# Altium PCB BE200.PcbDoc (part 1 of 6) (continued)
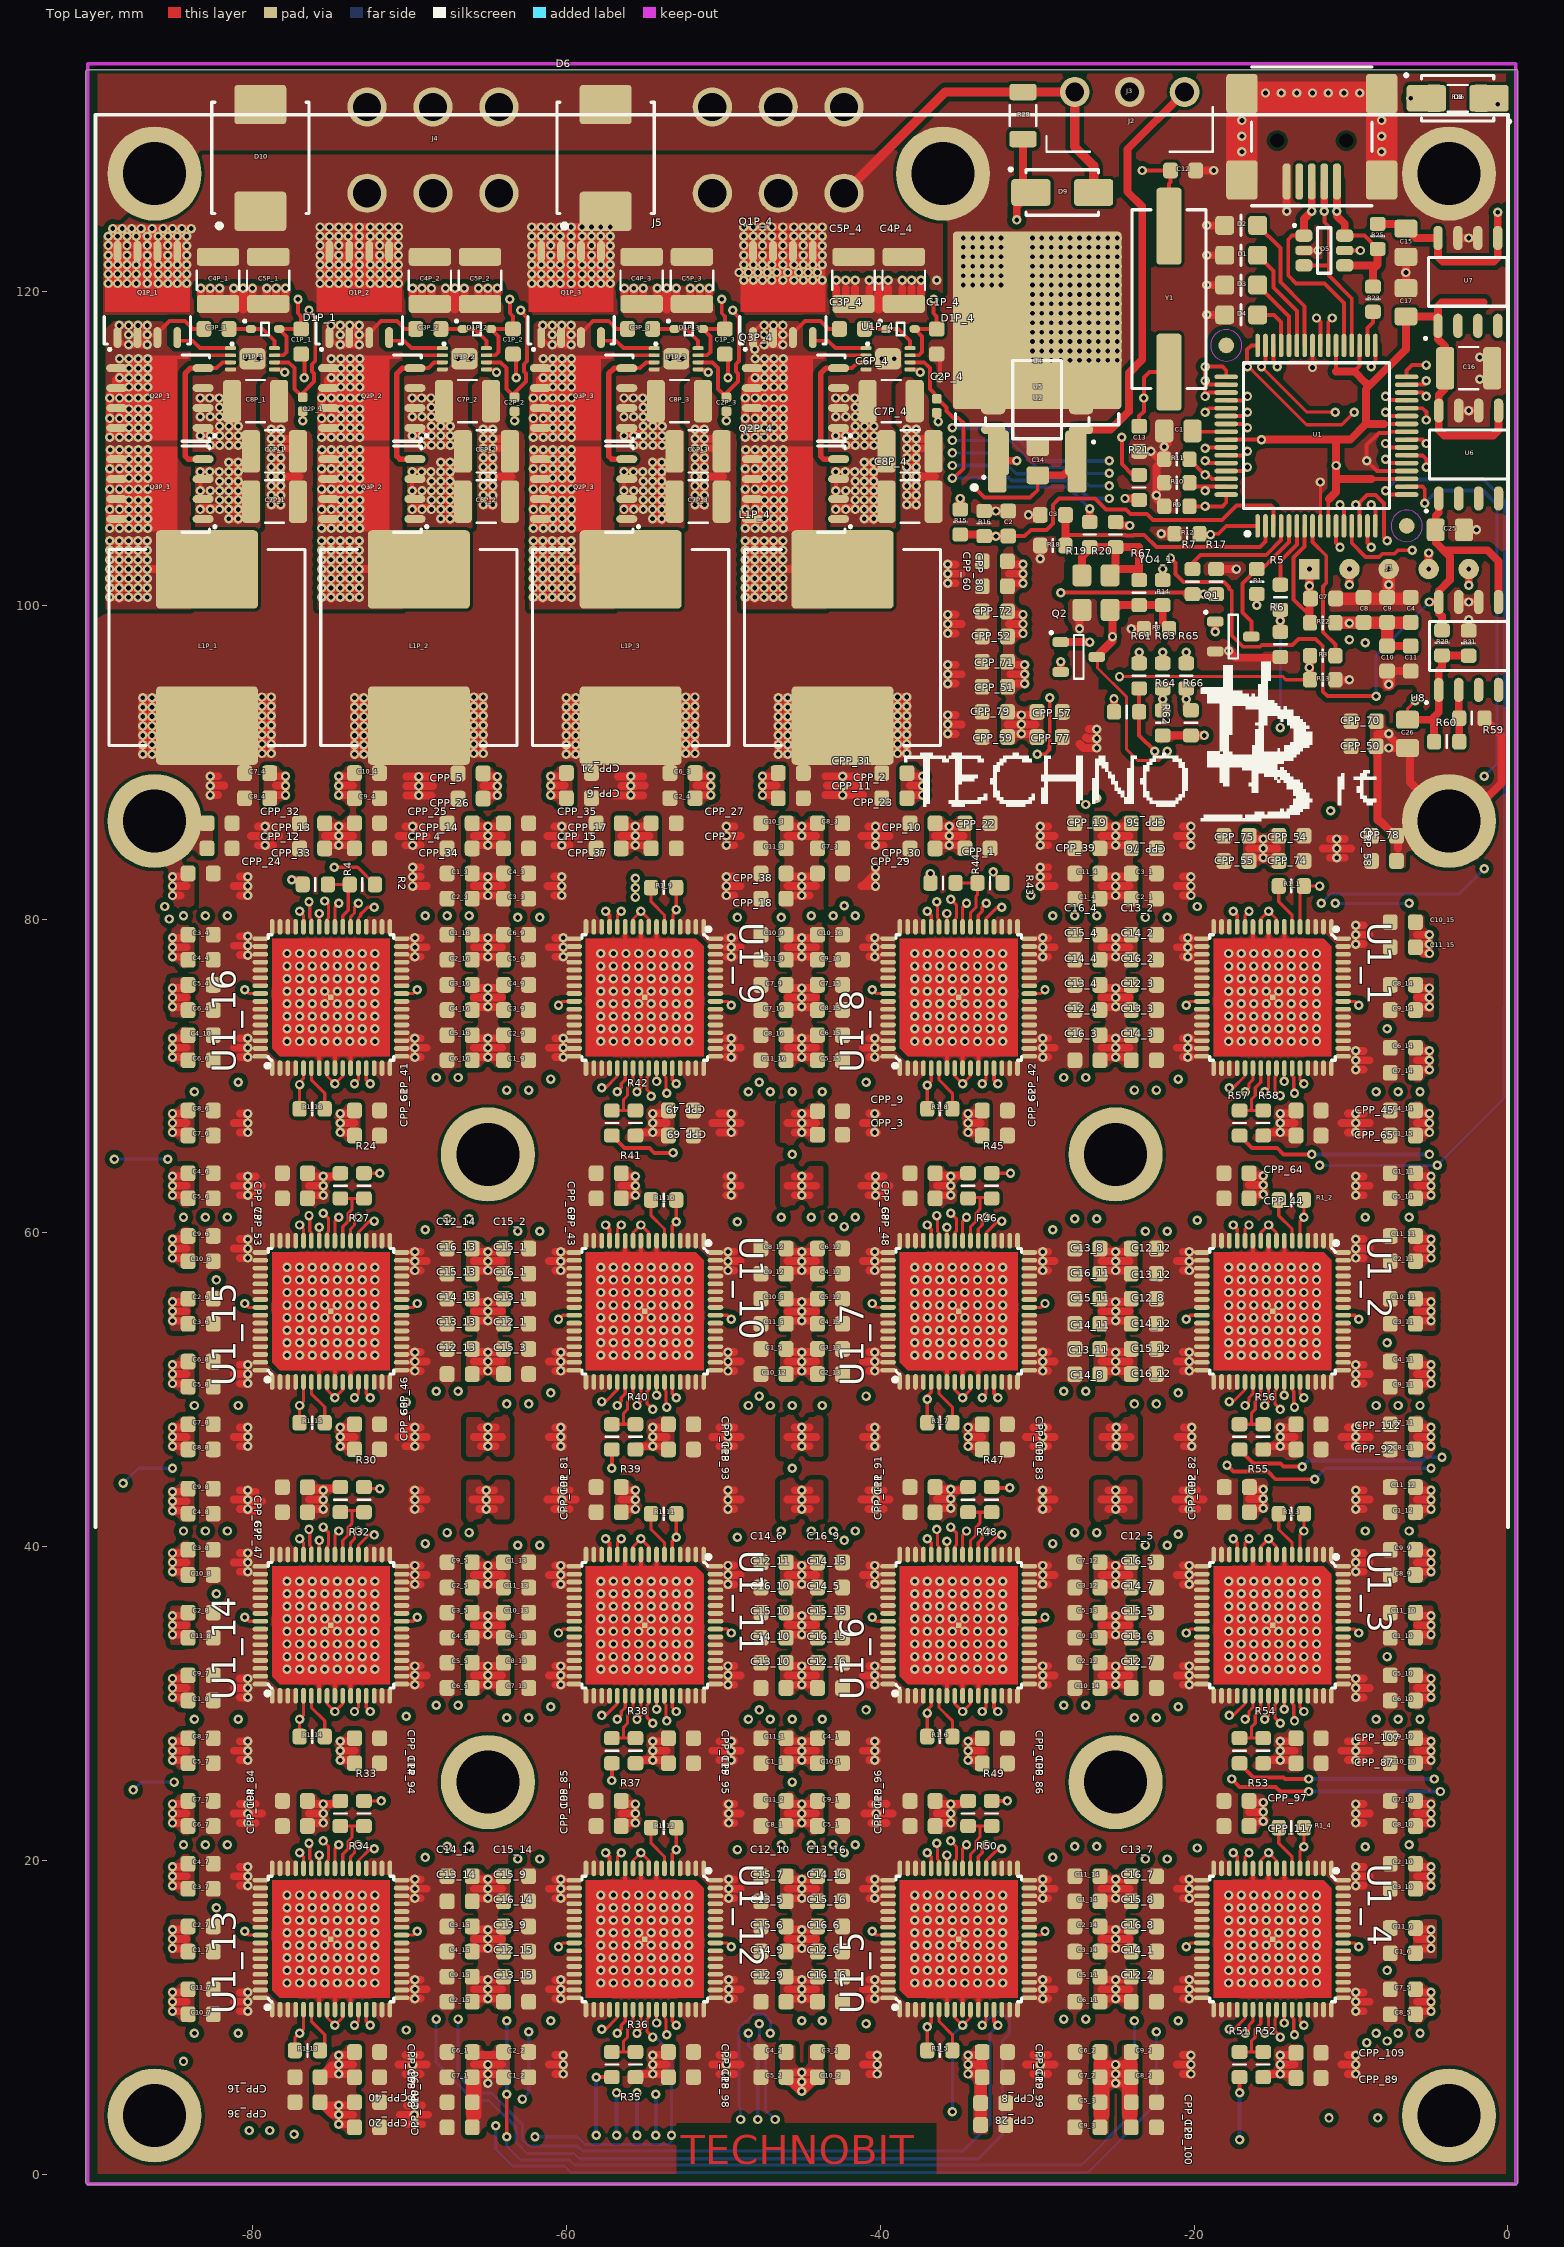
[diagram p0: Top Layer view]
## Components (designator, comment, footprint, x,y, rotation, side; value= is the part's Value field where it differs from the comment) (continued)
C14_10 "470nF" SMD_0603_CAPC1608X80N -46.8,32.6 r180 top
C14_11 "470nF" SMD_0603_CAPC1608X80N -26.8,54.2 r180 top
C14_12 "470nF" SMD_0603_CAPC1608X80N -23.2,54.2 r0 top
C14_13 "470nF" SMD_0603_CAPC1608X80N -66.8,54.2 r180 top
C14_14 "470nF" SMD_0603_CAPC1608X80N -66.8,19 r180 top
C14_15 "470nF" SMD_0603_CAPC1608X80N -43.2,37.4 r0 top
C14_16 "470nF" SMD_0603_CAPC1608X80N -43.2,17.4 r0 top
C15 "10uF/16V" SMD_0805_CAPC2012X145N -6.5,123.1 r270 top
C15_1 "470nF" SMD_0603_CAPC1608X80N -63.2,57.4 r0 top
C15_2 "470nF" SMD_0603_CAPC1608X80N -63.2,59 r0 top
C15_3 "470nF" SMD_0603_CAPC1608X80N -63.2,51 r0 top
C15_4 "470nF" SMD_0603_CAPC1608X80N -26.8,77.399 r180 top
C15_5 "470nF" SMD_0603_CAPC1608X80N -23.2,34.2 r0 top
C15_6 "470nF" SMD_0603_CAPC1608X80N -46.8,14.2 r180 top
C15_7 "470nF" SMD_0603_CAPC1608X80N -46.8,17.4 r180 top
C15_8 "470nF" SMD_0603_CAPC1608X80N -23.2,15.8 r0 top
C15_9 "470nF" SMD_0603_CAPC1608X80N -63.2,17.4 r0 top
C15_10 "470nF" SMD_0603_CAPC1608X80N -46.8,34.2 r180 top
C15_11 "470nF" SMD_0603_CAPC1608X80N -26.8,55.8 r180 top
C15_12 "470nF" SMD_0603_CAPC1608X80N -23.2,52.6 r0 top
C15_13 "470nF" SMD_0603_CAPC1608X80N -66.8,55.8 r180 top
C15_14 "470nF" SMD_0603_CAPC1608X80N -63.2,19 r0 top
C15_15 "470nF" SMD_0603_CAPC1608X80N -43.2,34.2 r0 top
C15_16 "470nF" SMD_0603_CAPC1608X80N -43.2,15.8 r0 top
C16 "220uF" SMD_1210_CAPC3225X279N -2.5,115.1 r0 top
C16_1 "470nF" SMD_0603_CAPC1608X80N -63.2,55.8 r0 top
C16_2 "470nF" SMD_0603_CAPC1608X80N -23.2,75.8 r0 top
C16_3 "470nF" SMD_0603_CAPC1608X80N -26.8,70.999 r180 top
C16_4 "470nF" SMD_0603_CAPC1608X80N -26.8,79 r180 top
C16_5 "470nF" SMD_0603_CAPC1608X80N -23.2,37.4 r0 top
C16_6 "470nF" SMD_0603_CAPC1608X80N -43.2,14.2 r0 top
C16_7 "470nF" SMD_0603_CAPC1608X80N -23.2,17.4 r0 top
C16_8 "470nF" SMD_0603_CAPC1608X80N -23.2,14.2 r0 top
C16_9 "470nF" SMD_0603_CAPC1608X80N -43.2,39 r0 top
C16_10 "470nF" SMD_0603_CAPC1608X80N -46.8,35.8 r180 top
C16_11 "470nF" SMD_0603_CAPC1608X80N -26.8,57.4 r180 top
C16_12 "470nF" SMD_0603_CAPC1608X80N -23.2,51 r0 top
C16_13 "470nF" SMD_0603_CAPC1608X80N -66.8,57.4 r180 top
C16_14 "470nF" SMD_0603_CAPC1608X80N -63.2,15.8 r0 top
C16_15 "470nF" SMD_0603_CAPC1608X80N -43.2,32.6 r0 top
C16_16 "470nF" SMD_0603_CAPC1608X80N -43.2,11 r0 top
C17 "22uF/6.3V" SMD_0805_CAPC2012X145N -6.5,119.3 r90 top
C25 "22uF/6.3V" SMD_0805_CAPC2012X145N -3.7,104.8 r180 top
C26 "22uF/6.3V" SMD_0805_CAPC2012X145N -6.4,91.8 r270 top
CPP_1 "470nF" SMD_0603_CAPC1608X80N -33.8,84.501 r0 top
CPP_2 "470nF" SMD_0603_CAPC1608X80N -39.1,89.298 r180 top
CPP_3 "470nF" SMD_0603_CAPC1608X80N -43.2,66.25 r0 top
CPP_4 "470nF" SMD_0603_CAPC1608X80N -72.701,84.501 r0 top
CPP_5 "470nF" SMD_0603_CAPC1608X80N -66.1,89.275 r180 top
CPP_6 "470nF" SMD_0603_CAPC1608X80N -59.2,87.702 r0 top
CPP_7 "470nF" SMD_0603_CAPC1608X80N -53.8,84.501 r0 top
CPP_8 "470nF" SMD_0603_CAPC1608X80N -32.8,4.55 r0 top
CPP_9 "470nF" SMD_0603_CAPC1608X80N -43.2,67.75 r0 top
CPP_10 "470nF" SMD_0603_CAPC1608X80N -37.3,86.099 r180 top
CPP_11 "470nF" SMD_0603_CAPC1608X80N -45.7,87.701 r0 top
CPP_12 "470nF" SMD_0603_CAPC1608X80N -82.101,84.501 r0 top
CPP_13 "470nF" SMD_0603_CAPC1608X80N -76.2,86.099 r180 top
CPP_14 "470nF" SMD_0603_CAPC1608X80N -66.8,86.099 r180 top
CPP_15 "470nF" SMD_0603_CAPC1608X80N -63.2,84.501 r0 top
CPP_16 "470nF" SMD_0603_CAPC1608X80N -76.5,6.199 r180 top
CPP_17 "470nF" SMD_0603_CAPC1608X80N -57.3,86.099 r180 top
CPP_18 "470nF" SMD_0603_CAPC1608X80N -46.8,81.3 r180 top
CPP_19 "470nF" SMD_0603_CAPC1608X80N -26.8,86.1 r180 top
CPP_20 "470nF" SMD_0603_CAPC1608X80N -72.7,3.001 r0 top
CPP_21 "470nF" SMD_0603_CAPC1608X80N -59.2,89.302 r0 top
CPP_22 "470nF" SMD_0603_CAPC1608X80N -33.8,86.101 r0 top
CPP_23 "470nF" SMD_0603_CAPC1608X80N -39.1,87.7 r180 top
CPP_24 "470nF" SMD_0603_CAPC1608X80N -83.3,82.901 r0 top
CPP_25 "470nF" SMD_0603_CAPC1608X80N -72.701,86.101 r0 top
CPP_26 "470nF" SMD_0603_CAPC1608X80N -66.1,87.675 r180 top
CPP_27 "470nF" SMD_0603_CAPC1608X80N -53.8,86.101 r0 top
CPP_28 "470nF" SMD_0603_CAPC1608X80N -32.8,3.15 r0 top
CPP_29 "470nF" SMD_0603_CAPC1608X80N -43.2,82.901 r0 top
CPP_30 "470nF" SMD_0603_CAPC1608X80N -37.3,84.499 r180 top
CPP_31 "470nF" SMD_0603_CAPC1608X80N -45.7,89.301 r0 top
CPP_32 "470nF" SMD_0603_CAPC1608X80N -82.101,86.101 r0 top
CPP_33 "470nF" SMD_0603_CAPC1608X80N -76.2,84.499 r180 top
CPP_34 "470nF" SMD_0603_CAPC1608X80N -66.8,84.499 r180 top
CPP_35 "470nF" SMD_0603_CAPC1608X80N -63.2,86.101 r0 top
CPP_36 "470nF" SMD_0603_CAPC1608X80N -76.5,4.599 r180 top
CPP_37 "470nF" SMD_0603_CAPC1608X80N -57.3,84.499 r180 top
CPP_38 "470nF" SMD_0603_CAPC1608X80N -46.8,82.9 r180 top
CPP_39 "470nF" SMD_0603_CAPC1608X80N -26.8,84.5 r180 top
CPP_40 "470nF" SMD_0603_CAPC1608X80N -72.7,4.601 r0 top
CPP_41 "470nF" SMD_0603_CAPC1608X80N -72.7,67.8 r0 top
CPP_42 "470nF" SMD_0603_CAPC1608X80N -32.7,67.801 r0 top
CPP_43 "470nF" SMD_0603_CAPC1608X80N -57.3,62.199 r180 top
CPP_44 "470nF" SMD_0603_CAPC1608X80N -17.3,62.199 r180 top
CPP_45 "470nF" SMD_0603_CAPC1608X80N -12.7,67.801 r0 top
CPP_46 "470nF" SMD_0603_CAPC1608X80N -72.7,47.801 r0 top
CPP_47 "470nF" SMD_0603_CAPC1608X80N -77.3,42.199 r180 top
CPP_48 "470nF" SMD_0603_CAPC1608X80N -37.3,62.2 r180 top
CPP_49 "470nF" SMD_0603_CAPC1608X80N -52.7,67.8 r0 top
CPP_50 "470nF" SMD_0603_CAPC1608X80N -9.2,91 r180 top
CPP_51 "470nF" SMD_0603_CAPC1608X80N -32.7,94.8 r180 top
CPP_52 "470nF" SMD_0603_CAPC1608X80N -32.7,98 r180 top
CPP_53 "470nF" SMD_0603_CAPC1608X80N -77.3,62.2 r180 top
CPP_54 "470nF" SMD_0603_CAPC1608X80N -13.8,85.3 r0 top
CPP_55 "470nF" SMD_0603_CAPC1608X80N -17.3,83.7 r180 top
CPP_56 "470nF" SMD_0603_CAPC1608X80N -23.2,86.1 r0 top
CPP_57 "470nF" SMD_0603_CAPC1608X80N -29.2,93.197 r0 top
CPP_58 "470nF" SMD_0603_CAPC1608X80N -7.9,83.7 r180 top
CPP_59 "470nF" SMD_0603_CAPC1608X80N -32.7,91.6 r180 top
CPP_60 "470nF" SMD_0603_CAPC1608X80N -32.7,101.2 r180 top
CPP_61 "470nF" SMD_0603_CAPC1608X80N -72.7,66.2 r0 top
CPP_62 "470nF" SMD_0603_CAPC1608X80N -32.7,66.201 r0 top
CPP_63 "470nF" SMD_0603_CAPC1608X80N -57.3,63.799 r180 top
CPP_64 "470nF" SMD_0603_CAPC1608X80N -17.3,63.799 r180 top
CPP_65 "470nF" SMD_0603_CAPC1608X80N -12.7,66.201 r0 top
CPP_66 "470nF" SMD_0603_CAPC1608X80N -72.7,46.201 r0 top
CPP_67 "470nF" SMD_0603_CAPC1608X80N -77.3,43.799 r180 top
CPP_68 "470nF" SMD_0603_CAPC1608X80N -37.3,63.8 r180 top
CPP_69 "470nF" SMD_0603_CAPC1608X80N -52.7,66.2 r0 top
CPP_70 "470nF" SMD_0603_CAPC1608X80N -9.2,92.6 r180 top
CPP_71 "470nF" SMD_0603_CAPC1608X80N -32.7,96.4 r180 top
CPP_72 "470nF" SMD_0603_CAPC1608X80N -32.7,99.6 r180 top
CPP_73 "470nF" SMD_0603_CAPC1608X80N -77.3,63.8 r180 top
CPP_74 "470nF" SMD_0603_CAPC1608X80N -13.8,83.7 r0 top
CPP_75 "470nF" SMD_0603_CAPC1608X80N -17.3,85.3 r180 top
CPP_76 "470nF" SMD_0603_CAPC1608X80N -23.2,84.5 r0 top
CPP_77 "470nF" SMD_0603_CAPC1608X80N -29.2,91.597 r0 top
CPP_78 "470nF" SMD_0603_CAPC1608X80N -7.9,85.3 r180 top
CPP_79 "470nF" SMD_0603_CAPC1608X80N -32.7,93.2 r180 top
CPP_80 "470nF" SMD_0603_CAPC1608X80N -32.7,102.8 r180 top
CPP_81 "470nF" SMD_0603_CAPC1608X80N -57.3,43.8 r180 top
CPP_82 "470nF" SMD_0603_CAPC1608X80N -17.275,43.8 r180 top
CPP_83 "470nF" SMD_0603_CAPC1608X80N -32.7,46.2 r0 top
CPP_84 "470nF" SMD_0603_CAPC1608X80N -77.3,23.8 r180 top
CPP_85 "470nF" SMD_0603_CAPC1608X80N -57.3,23.8 r180 top
CPP_86 "470nF" SMD_0603_CAPC1608X80N -32.7,26.187 r0 top
CPP_87 "470nF" SMD_0603_CAPC1608X80N -12.7,26.2 r0 top
CPP_88 "470nF" SMD_0603_CAPC1608X80N -72.7,6.199 r0 top
CPP_89 "470nF" SMD_0603_CAPC1608X80N -12.7,6.147 r0 top
CPP_90 "470nF" SMD_0603_CAPC1608X80N -66.8,4.6 r180 top
CPP_91 "470nF" SMD_0603_CAPC1608X80N -37.3,43.8 r180 top
CPP_92 "470nF" SMD_0603_CAPC1608X80N -12.7,46.2 r0 top
CPP_93 "470nF" SMD_0603_CAPC1608X80N -52.7,46.2 r0 top
CPP_94 "470nF" SMD_0603_CAPC1608X80N -72.7,26.2 r0 top
CPP_95 "470nF" SMD_0603_CAPC1608X80N -52.7,26.2 r0 top
CPP_96 "470nF" SMD_0603_CAPC1608X80N -37.3,23.8 r180 top
CPP_97 "470nF" SMD_0603_CAPC1608X80N -17.3,23.8 r180 top
CPP_98 "470nF" SMD_0603_CAPC1608X80N -52.7,6.2 r0 top
CPP_99 "470nF" SMD_0603_CAPC1608X80N -32.7,6.2 r0 top
CPP_100 "470nF" SMD_0603_CAPC1608X80N -23.2,3 r0 top
CPP_101 "470nF" SMD_0603_CAPC1608X80N -57.3,42.2 r180 top
CPP_102 "470nF" SMD_0603_CAPC1608X80N -17.275,42.2 r180 top
CPP_103 "470nF" SMD_0603_CAPC1608X80N -32.7,47.8 r0 top
CPP_104 "470nF" SMD_0603_CAPC1608X80N -77.3,22.2 r180 top
CPP_105 "470nF" SMD_0603_CAPC1608X80N -57.3,22.2 r180 top
CPP_106 "470nF" SMD_0603_CAPC1608X80N -32.7,27.787 r0 top
CPP_107 "470nF" SMD_0603_CAPC1608X80N -12.7,27.8 r0 top
CPP_108 "470nF" SMD_0603_CAPC1608X80N -72.7,7.799 r0 top
CPP_109 "470nF" SMD_0603_CAPC1608X80N -12.7,7.747 r0 top
CPP_110 "470nF" SMD_0603_CAPC1608X80N -66.8,3 r180 top
CPP_111 "470nF" SMD_0603_CAPC1608X80N -37.3,42.2 r180 top
CPP_112 "470nF" SMD_0603_CAPC1608X80N -12.7,47.8 r0 top
CPP_113 "470nF" SMD_0603_CAPC1608X80N -52.7,47.8 r0 top
CPP_114 "470nF" SMD_0603_CAPC1608X80N -72.7,27.8 r0 top
CPP_115 "470nF" SMD_0603_CAPC1608X80N -52.7,27.8 r0 top
CPP_116 "470nF" SMD_0603_CAPC1608X80N -37.3,22.2 r180 top
CPP_117 "470nF" SMD_0603_CAPC1608X80N -17.3,22.2 r180 top
CPP_118 "470nF" SMD_0603_CAPC1608X80N -52.7,7.8 r0 top
CPP_119 "470nF" SMD_0603_CAPC1608X80N -32.7,7.8 r0 top
CPP_120 "470nF" SMD_0603_CAPC1608X80N -23.2,4.6 r0 top
D1 "Red SML210VT ROHM" SMD_0805_LED2012X100N -17,122.3 r0 top
D1P_1 "D" SMD_SOD523_SOD1608X65N -79.2,117.6 r0 top
D1P_2 "D" SMD_SOD523_SOD1608X65N -65.7,117.6 r0 top
D1P_3 "D" SMD_SOD523_SOD1608X65N -52.2,117.6 r0 top
D1P_4 "D" SMD_SOD523_SOD1608X65N -38.7,117.6 r0 top
D2 "Green 	SML210MT ROHM" SMD_0805_LED2012X100N -17,124.2 r0 top
D3 "Yellow SML210YT ROHM" SMD_0805_LED2012X100N -17,120.4 r0 top
D4 "Orange 	SML210DT ROHM" SMD_0805_LED2012X100N -17,118.5 r0 top
D5 "SMS05T1G" SMD_SOT95P280X145-6N-W -11.7,122.6 r0 top
D6 "D_TVS_UNI" SMD_DO214AC_SMC -57.5,128.5 r90 top
D7 "(OPT)SS14" SMD_DO214AC_SMA -3.2,132.3 r0 top
D8 "(OPT)SS14" SMD_DO214AC_SMA -3.2,132.3 r180 top
D9 "SS14" SMD_DO214AC_SMA -28.4,126.3 r0 top
D10 "D_TVS_UNI" SMD_DO214AC_SMC -79.5,128.5 r90 top
J1 "(OPT) CON PROGRAM" "SIP5 PGM TOP" -12.65,102.3 r0 top
J2 "CU04SCM15B0-R0" SMD_CON-CVILUX-CU04-SCM15B0 -12.5,129.6 r180 top
J3 "CON_3PINS" PTH_CON_HD-351-3P -24.1,132.7 r180 top
J4 "CON_2ROWS_6PINS_1" PTH_CON_WR-MRC4-6P_S -68.5,129 r180 top
J5 "CON_2ROWS_6PINS_1" PTH_CON_WR-MRC4-6P_S -46.5,129 r180 top
L1P_1 "SLC1480-201MLD" "SMD_INDM12501250X800A - Coilcraft SLC1480" -82.9,97.3 r270 top
L1P_2 "SLC1480-201MLD" "SMD_INDM12501250X800A - Coilcraft SLC1480" -69.4,97.3 r270 top
L1P_3 "SLC1480-201MLD" "SMD_INDM12501250X800A - Coilcraft SLC1480" -55.9,97.3 r270 top
L1P_4 "SLC1480-201MLD" "SMD_INDM12501250X800A - Coilcraft SLC1480" -42.4,97.3 r270 top
Q1 "BSS138" SMD_SOT23_SOT95P240X120-3N -17.5,98 r0 top
Q1P_1 "AP1RA03GMT-3" SMD_SON127P615X520X100-8N -86.7,119.8 r90 top
Q1P_2 "AP1RA03GMT-3" SMD_SON127P615X520X100-8N -73.2,119.8 r90 top
Q1P_3 "AP1RA03GMT-3" SMD_SON127P615X520X100-8N -59.7,119.8 r90 top
Q1P_4 "AP1RA03GMT-3" SMD_SON127P615X520X100-8N -46.2,119.8 r90 top
Q2 "(OPT)BSS138" SMD_SOT23_SOT95P240X120-3N -27.35,96.7 r0 top
Q2P_1 "AP1RA03GMT-3" SMD_SON127P615X520X100-8N -85.9,113.2 r180 top
Q2P_2 "AP1RA03GMT-3" SMD_SON127P615X520X100-8N -72.4,113.2 r180 top
Q2P_3 "AP1RA03GMT-3" SMD_SON127P615X520X100-8N -58.9,107.4 r180 top
Q2P_4 "AP1RA03GMT-3" SMD_SON127P615X520X100-8N -45.4,107.4 r180 top
Q3P_1 "AP1RA03GMT-3" SMD_SON127P615X520X100-8N -85.9,107.4 r180 top
Q3P_2 "AP1RA03GMT-3" SMD_SON127P615X520X100-8N -72.4,107.4 r180 top
Q3P_3 "AP1RA03GMT-3" SMD_SON127P615X520X100-8N -58.9,113.2 r180 top
Q3P_4 "AP1RA03GMT-3" SMD_SON127P615X520X100-8N -45.4,113.2 r180 top
R1 "1k" SMD_0603_RESC1608X55N -16,101.5 r270 top
R1_1 "0" SMD_0603_RESC1608X55N -13.8,82.1 r0 top
R1_2 "0" SMD_0603_RESC1608X55N -13.8,62.1 r0 top
R1_3 "0" SMD_0603_RESC1608X55N -13.8,42.1 r0 top
R1_4 "0" SMD_0603_RESC1608X55N -13.8,22.1 r0 top
R1_5 "0" SMD_0603_RESC1608X55N -36.2,7.9 r180 top
R1_6 "0" SMD_0603_RESC1608X55N -36.2,27.9 r180 top
R1_7 "0" SMD_0603_RESC1608X55N -36.2,47.9 r180 top
R1_8 "0" SMD_0603_RESC1608X55N -36.2,67.9 r180 top
R1_9 "0" SMD_0603_RESC1608X55N -53.8,82 r0 top
R1_10 "0" SMD_0603_RESC1608X55N -53.8,62.1 r0 top
R1_11 "0" SMD_0603_RESC1608X55N -53.8,42.1 r0 top
R1_12 "0" SMD_0603_RESC1608X55N -53.8,22.1 r0 top
R1_13 "0" SMD_0603_RESC1608X55N -76.5,7.9 r180 top
R1_14 "0" SMD_0603_RESC1608X55N -76.2,27.9 r180 top
R1_15 "0" SMD_0603_RESC1608X55N -76.2,47.9 r180 top
R1_16 "0" SMD_0603_RESC1608X55N -76.2,67.9 r180 top
R2 "1k" SMD_0603_RESC1608X55N -73,82.2 r0 top
R3 "0" SMD_0603_RESC1608X55N -11.8,96.775 r0 top
R4 "1k" SMD_0603_RESC1608X55N -76,82.2 r0 top
R5 "0" SMD_0603_RESC1608X55N -14.5,100.5 r90 top
R6 "(OPT)1k" SMD_0603_RESC1608X55N -14.5,97.5 r90 top
R7 "0" SMD_0603_RESC1608X55N -20.1,101.5 r90 top
R8 "(OPT)47" SMD_0603_RESC1608X55N -22.4,98.5 r180 top
R9 "10k" SMD_0603_RESC1608X55N -21.1,106.3 r180 top
R10 "10k" SMD_0603_RESC1608X55N -21.1,107.8 r180 top
R11 "10k" SMD_0603_RESC1608X55N -21.1,109.3 r180 top
R12 "10k" SMD_0603_RESC1608X55N -20.45,104.55 r0 top
R13 "(OPT)470" SMD_0603_RESC1608X55N -11.8,95.25 r180 top
R14 "(OPT)47" SMD_0603_RESC1608X55N -22,100.8 r90 top
R15 "10k" SMD_0603_RESC1608X55N -34.9,105.3 r270 top
R16 "2.4k" SMD_0603_RESC1608X55N -33.375,105.2 r270 top
R17 "(OPT)1k" SMD_0603_RESC1608X55N -18.6,101.5 r270 top
R18 "10k" SMD_0603_RESC1608X55N -29,103.8 r180 top
R19 "0" SMD_0603_RESC1608X55N -26.65,104.5 r90 top
R20 "(OPT)0" SMD_0603_RESC1608X55N -25,104.5 r90 top
R21 "(OPT)0" SMD_0603_RESC1608X55N -23.5,107.5 r90 top
R22 "10k" SMD_0603_RESC1608X55N -11.8,98.875 r0 top
R23 "10k" SMD_0603_RESC1608X55N -8.6,119.5 r270 top
R24 "1k" SMD_0603_RESC1608X55N -72.901,63 r90 top
R25 "0" SMD_0603_RESC1608X55N -8.3,123.5 r270 top
R26 "2" SMD_1206_RESC3216X180N -3.2,132.3 r0 top
R27 "1k" SMD_0603_RESC1608X55N -74.4,63 r270 top
R28 "100" SMD_1206_RESC3216X180N -30.9,131.2 r90 top
R29 "10" SMD_0603_RESC1608X55N -4.2,97.6 r270 top
R30 "1k" SMD_0603_RESC1608X55N -72.9,43 r90 top
R31 "10" SMD_0603_RESC1608X55N -2.5,97.575 r270 top
R32 "1k" SMD_0603_RESC1608X55N -74.4,43 r270 top
R33 "1k" SMD_0603_RESC1608X55N -72.9,23 r90 top
R34 "1k" SMD_0603_RESC1608X55N -74.399,23 r270 top
R35 "1k" SMD_0603_RESC1608X55N -57.1,7 r270 top
R36 "1k" SMD_0603_RESC1608X55N -55.6,7 r90 top
R37 "1k" SMD_0603_RESC1608X55N -57.099,27 r270 top
R38 "1k" SMD_0603_RESC1608X55N -55.6,27 r90 top
R39 "1k" SMD_0603_RESC1608X55N -57.1,47 r270 top
R40 "1k" SMD_0603_RESC1608X55N -55.6,47 r90 top
R41 "1k" SMD_0603_RESC1608X55N -57.099,67 r270 top
R42 "1k" SMD_0603_RESC1608X55N -55.6,67 r90 top
R43 "1k" SMD_0603_RESC1608X55N -33,82.3 r0 top
R44 "1k" SMD_0603_RESC1608X55N -36,82.3 r0 top
R45 "1k" SMD_0603_RESC1608X55N -32.9,63 r90 top
R46 "1k" SMD_0603_RESC1608X55N -34.4,63 r270 top
R47 "1k" SMD_0603_RESC1608X55N -32.9,43 r90 top
R48 "1k" SMD_0603_RESC1608X55N -34.4,43 r270 top
R49 "1k" SMD_0603_RESC1608X55N -32.9,23 r90 top
R50 "1k" SMD_0603_RESC1608X55N -34.4,23 r270 top
R51 "1k" SMD_0603_RESC1608X55N -17.1,7 r270 top
R52 "1k" SMD_0603_RESC1608X55N -15.6,7 r90 top
R53 "1k" SMD_0603_RESC1608X55N -17.1,27 r270 top
R54 "1k" SMD_0603_RESC1608X55N -15.6,27 r90 top
R55 "1k" SMD_0603_RESC1608X55N -17.1,47 r270 top
R56 "1k" SMD_0603_RESC1608X55N -15.6,47 r90 top
R57 "1k" SMD_0603_RESC1608X55N -17.1,67 r270 top
R58 "1k" SMD_0603_RESC1608X55N -15.6,67 r90 top
R59 "(OPT)4.02" SMD_0603_RESC1608X55N -3.9,91.3 r0 top
R60 "(OPT)30k" SMD_0603_RESC1608X55N -2.3,92.8 r180 top
R61 "1k" SMD_0603_RESC1608X55N -23.5,95.5 r90 top
R62 "(OPT)1k" SMD_0603_RESC1608X55N -24.3,93.2 r0 top
R63 "1k" SMD_0603_RESC1608X55N -22,95.5 r90 top
R64 "(OPT)1k" SMD_0603_RESC1608X55N -22,92.5 r90 top
R65 "1k" SMD_0603_RESC1608X55N -20.5,95.5 r90 top
R66 "(OPT)1k" SMD_0603_RESC1608X55N -20.2,92.5 r90 top
R67 "(OPT)1k" SMD_0603_RESC1608X55N -23.5,100.8 r90 top
U1 "dsPIC33EP256MU806" SMD_QFP50P1200X1200X120-64N -12.2,110.8 r90 top
U1_1 "BE200" "SMD_QFN50P900X900X85-65N - BE200" -15,75 r270 top
U1_2 "BE200" "SMD_QFN50P900X900X85-65N - BE200" -15,55 r270 top
U1_3 "BE200" "SMD_QFN50P900X900X85-65N - BE200" -15,35 r270 top
U1_4 "BE200" "SMD_QFN50P900X900X85-65N - BE200" -15,15 r270 top
U1_5 "BE200" "SMD_QFN50P900X900X85-65N - BE200" -35,15 r90 top
U1_6 "BE200" "SMD_QFN50P900X900X85-65N - BE200" -35,35 r90 top
U1_7 "BE200" "SMD_QFN50P900X900X85-65N - BE200" -35,55 r90 top
U1_8 "BE200" "SMD_QFN50P900X900X85-65N - BE200" -35,75 r90 top
U1_9 "BE200" "SMD_QFN50P900X900X85-65N - BE200" -55,75 r270 top
U1_10 "BE200" "SMD_QFN50P900X900X85-65N - BE200" -55,55 r270 top
U1_11 "BE200" "SMD_QFN50P900X900X85-65N - BE200" -55,35 r270 top
U1_12 "BE200" "SMD_QFN50P900X900X85-65N - BE200" -55,15 r270 top
U1_13 "BE200" "SMD_QFN50P900X900X85-65N - BE200" -75,15 r90 top
U1_14 "BE200" "SMD_QFN50P900X900X85-65N - BE200" -75,35 r90 top
U1_15 "BE200" "SMD_QFN50P900X900X85-65N - BE200" -75,55 r90 top
U1_16 "BE200" "SMD_QFN50P900X900X85-65N - BE200" -75,75 r90 top
U1P_1 "LTC 4449" "SMD_DFN16166SON50P161X161X60-9N - LTC4449" -80,115.7 r0 top
U1P_2 "LTC 4449" "SMD_DFN16166SON50P161X161X60-9N - LTC4449" -66.5,115.7 r0 top
U1P_3 "LTC 4449" "SMD_DFN16166SON50P161X161X60-9N - LTC4449" -53,115.7 r0 top
U1P_4 "LTC 4449" "SMD_DFN16166SON50P161X161X60-9N - LTC4449" -39.5,115.7 r0 top
U2 "(OPT) LM7805" SMD_SOIC127P602X173-8N -30,113.1 r180 top
U4 "(OPT) L7805CD2T-TR" SMD_TO254P1524X483-3_4N_D2PAK -30,115.5 r90 top
U5 "L78M05CDT-TR" SMD_TO229P991X239-4AN_DPAK -30,113.85 r90 top
U6 "BD18KA5WF" SMD_SOIC127P602X173-8N -2.5,109.6 r90 top
U7 "BD33KA5WF" SMD_SOIC127P602X173-8N -2.55,120.6 r90 top
U8 "(OPT)IC_BD00KA5WF" SMD_SOIC127P602X173-8N -2.5,97.4 r90 top
Y1 "Q4.000 MHz HC-49SM SMD" SMD_HC49_XTAL1140X480X420N -21.6,119.5 r270 top
YO4_1 "XTAL_TXC 16 MHz" SMD_OSC_DFN_2.5X3.2MM -26.25,100.8 r0 top

## Footprints (in the part's own frame and the unit in brackets; to place one, negate y for a bottom-side part, rotate by r counter-clockwise, add the part's x,y. Pads: shape width x height; smd on the part's side, far side on the other; paste and mask are expansions set on the pad)
PTH_CON_HD-351-3P [mm]
  round 1.9 hole 1.2 mask+0.075: 1(-3.5,0) 2(0,0) 3(3.5,0)
  silkscreen extent -5.3,0.95 5.3,3.8, body extent -5.25,-3.75 5.25,3.75, height 8.7
PTH_CON_WR-MRC4-6P_S [mm]
  round 2.5 hole 1.8 mask+0.075: 1(-4.2,2.75) 2(0,2.75) 3(4.2,2.75) 4(-4.2,-2.75) 5(0,-2.75) 6(4.2,-2.75)
  body extent -7.25,-6.3 6.95,4.8, height 12.8
"SIP5 PGM TOP" [mm]
  rect 1.3x1.3 smd: 1(0,0)
  round 1.3 smd: 2(2.55,0) 3(5.05,0) 4(7.6,0) 5(10.15,0)
SMD_0402_CAPC1005X90N [mm]
  rrect48% 0.62x0.62 smd mask+0.075: 1(-0.45,0) 2(0.45,0)
  body extent -0.5,-0.25 0.5,0.25, height 0.9
SMD_0603_CAPC1608X80N [mm]
  rrect42% 0.95x1 smd mask+0.075: 1(-0.8,0) 2(0.8,0)
  body extent -0.8,-0.4 0.8,0.4, height 0.8
SMD_0603_CAPC1608X95N [mm]
  rrect42% 0.95x1 smd mask+0.075: 1(-0.8,0) 2(0.8,0)
  body extent -0.8,-0.4 0.8,0.4, height 0.95
SMD_0603_RESC1608X55N [mm]
  rrect44% 0.9x1 smd mask+0.075: 1(-0.8,0) 2(0.8,0)
  silkscreen extent 0,-0.4 0,0.4, body extent -0.8,-0.4 0.8,0.4, height 0.55
SMD_0805_CAPC2012X145N [mm]
  rrect35% 1.15x1.45 smd mask+0.075: 1(-0.9,0) 2(0.9,0)
  body extent -1,-0.6 1,0.6, height 1.45
SMD_0805_LED2012X100N [mm]
  rrect33% 1.2x1.2 smd mask+0.075: 1(-1.05,0) 2(1.05,0)
  silkscreen extent 0,-0.65 0,0.65
SMD_1206_RESC3216X180N [mm]
  rrect38% 1.05x1.75 smd mask+0.075: 1(-1.5,0) 2(1.5,0)
  silkscreen extent -0.65,-0.85 0.65,0.85, body extent -1.6,-0.71 1.6,0.71, height 1.71
SMD_1210_CAPC3225X279N [mm]
  rrect35% 1.15x2.7 smd mask+0.075: 1(-1.5,0) 2(1.5,0)
  silkscreen extent -0.6,-1.35 0.6,1.35, body extent -1.6,-1.25 1.6,1.25, height 2.79
SMD_CON-CVILUX-CU04-SCM15B0 [mm]
  rrect80% 0.5x2.3 smd mask+0.075: 1(-1.6,2.6) 2(-0.8,2.6) 3(0,2.6) 4(0.8,2.6) 5(1.6,2.6)
  rrect20% 2x2.5 smd mask+0.075: 6(4.45,2.5) 7(4.45,-3) 8(-4.45,-3) 9(-4.45,2.5)
  round 0.5 hole 0.9 unplated mask+0.275: 10(-2.2,0) 11(2.2,0)
  silkscreen extent -3.85,-4.7 3.85,4.15, body extent -4.95,-5.9 4.95,3.1, height 3.95
"SMD_DFN16166SON50P161X161X60-9N - LTC4449" [mm]
  rrect67% 0.7x0.25 smd mask+0.05: 1(-1.4,0.675) 2(-1.4,0.225) 3(-1.4,-0.225) 4(-1.4,-0.675) 5(1.4,-0.675) 6(1.4,-0.225) 7(1.4,0.225) 8(1.4,0.675)
  rrect40% 1.65x1.35 smd mask+0.075: 9(0,0)
  silkscreen extent -1.45,0.8 -1.15,1.1, body extent -0.81,-0.8 0.81,0.8, height 0.63
SMD_DO214AC_SMA [mm]
  rrect24% 2.5x1.7 smd mask+0.075: 1(-2,0) 2(2,0)
  silkscreen extent -3.46,-1.45 2.3,1.65, body extent -2.64,-1.39 2.64,1.4, height 2.29
SMD_DO214AC_SMC [mm]
  rrect16% 2.5x3.3 smd mask+0.075: 1(-3.4,0) 2(3.4,0)
  silkscreen extent -4.47,-3.1 3.55,3.1, body extent -4.06,-3.11 4.07,3.11, height 2.62
SMD_HC49_XTAL1140X480X420N [mm]
  rrect25% 4.9x1.6 smd mask+0.075: 1(-4.65,0) 2(4.65,0)
  silkscreen extent -5.7,-2.35 5.7,2.35, body extent -6.5,-2.4 6.5,2.4, height 4.2
"SMD_INDM12501250X800A - Coilcraft SLC1480" [mm]
  rrect10% 5x6.5 smd mask+0.075: 1(-4.975,0) 2(4.975,0)
  silkscreen extent -6.25,-6.25 6.25,6.25, body extent -6.26,-6.25 6.26,6.25, height 8
SMD_OSC_DFN_2.5X3.2MM [mm]
  rrect33% 1.2x1.4 smd mask+0.075: 1(-0.9,1.1) 2(-0.9,-1.1) 3(0.9,-1.1) 4(0.9,1.1)
  body extent -1.25,-1.6 1.25,1.6, height 1
"SMD_QFN50P900X900X85-65N - BE200" [mm]
  oval 1x0.3 smd mask+0.05: 1(-4.5,3.75) 2(-4.5,3.25) 3(-4.5,2.75) 4(-4.5,2.25) 5(-4.5,1.75) 6(-4.5,1.25) 7(-4.5,0.75) 8(-4.5,0.25) 9(-4.5,-0.25) 10(-4.5,-0.75) 11(-4.5,-1.25) 12(-4.5,-1.75) 13(-4.5,-2.25) 14(-4.5,-2.75) 15(-4.5,-3.25) 16(-4.5,-3.75) 33(4.5,-3.75) 34(4.5,-3.25) 35(4.5,-2.75) 36(4.5,-2.25) 37(4.5,-1.75) 38(4.5,-1.25) 39(4.5,-0.75) 40(4.5,-0.25) 41(4.5,0.25) 42(4.5,0.75) 43(4.5,1.25) 44(4.5,1.75) 45(4.5,2.25) 46(4.5,2.75) 47(4.5,3.25) 48(4.5,3.75)
  oval 0.3x1 smd mask+0.05: 17(-3.75,-4.5) 18(-3.25,-4.5) 19(-2.75,-4.5) 20(-2.25,-4.5) 21(-1.75,-4.5) 22(-1.25,-4.5) 23(-0.75,-4.5) 24(-0.25,-4.5) 25(0.25,-4.5) 26(0.75,-4.5) 27(1.25,-4.5) 28(1.75,-4.5) 29(2.25,-4.5) 30(2.75,-4.5) 31(3.25,-4.5) 32(3.75,-4.5) 49(3.75,4.5) 50(3.25,4.5) 51(2.75,4.5) 52(2.25,4.5) 53(1.75,4.5) 54(1.25,4.5) 55(0.75,4.5) 56(0.25,4.5) 57(-0.25,4.5) 58(-0.75,4.5) 59(-1.25,4.5) 60(-1.75,4.5) 61(-2.25,4.5) 62(-2.75,4.5) 63(-3.25,4.5) 64(-3.75,4.5)
  rect 0.35x0.35 smd paste-0.175: 65(0,0)
  Top Layer region: 3.75,3.75 -3.25,3.75 -3.75,3.25 -3.75,-3.75 3.75,-3.75
  silkscreen extent -4.47,-4 4,4.18, body extent -4.05,-4.05 4.05,4.05, height 0.85
SMD_QFP50P1200X1200X120-64N [mm]
  oval 1.5x0.3 smd mask+0.05: 1(-5.75,3.75) 2(-5.75,3.25) 3(-5.75,2.75) 4(-5.75,2.25) 5(-5.75,1.75) 6(-5.75,1.25) 7(-5.75,0.75) 8(-5.75,0.25) 9(-5.75,-0.25) 10(-5.75,-0.75) 11(-5.75,-1.25) 12(-5.75,-1.75) 13(-5.75,-2.25) 14(-5.75,-2.75) 15(-5.75,-3.25) 16(-5.75,-3.75) 33(5.75,-3.75) 34(5.75,-3.25) 35(5.75,-2.75) 36(5.75,-2.25) 37(5.75,-1.75) 38(5.75,-1.25) 39(5.75,-0.75) 40(5.75,-0.25) 41(5.75,0.25) 42(5.75,0.75) 43(5.75,1.25) 44(5.75,1.75) 45(5.75,2.25) 46(5.75,2.75) 47(5.75,3.25) 48(5.75,3.75)
  oval 0.3x1.5 smd mask+0.05: 17(-3.75,-5.75) 18(-3.25,-5.75) 19(-2.75,-5.75) 20(-2.25,-5.75) 21(-1.75,-5.75) 22(-1.25,-5.75) 23(-0.75,-5.75) 24(-0.25,-5.75) 25(0.25,-5.75) 26(0.75,-5.75) 27(1.25,-5.75) 28(1.75,-5.75) 29(2.25,-5.75) 30(2.75,-5.75) 31(3.25,-5.75) 32(3.75,-5.75) 49(3.75,5.75) 50(3.25,5.75) 51(2.75,5.75) 52(2.25,5.75) 53(1.75,5.75) 54(1.25,5.75) 55(0.75,5.75) 56(0.25,5.75) 57(-0.25,5.75) 58(-0.75,5.75) 59(-1.25,5.75) 60(-1.75,5.75) 61(-2.25,5.75) 62(-2.75,5.75) 63(-3.25,5.75) 64(-3.75,5.75)
  round 1 smd paste-0.5 mask+0.5: 65(-5.75,-5.75) 66(5.75,5.75)
  Top Layer keep-out region: 6.75,5.75 6.674,6.133 6.457,6.457 6.133,6.674 5.75,6.75 5.75,6.75 5.367,6.674 5.043,6.457 4.826,6.133 4.75,5.75 4.75,5.75 4.826,5.367 5.043,5.043 5.367,4.826 5.75,4.75 5.75,4.75 6.133,4.826 6.457,5.043 6.674,5.367 6.75,5.75
  Top Layer keep-out region: -4.75,-5.75 -4.826,-5.367 -5.043,-5.043 -5.367,-4.826 -5.75,-4.75 -5.75,-4.75 -6.133,-4.826 -6.457,-5.043 -6.674,-5.367 -6.75,-5.75 -6.75,-5.75 -6.674,-6.133 -6.457,-6.457 -6.133,-6.674 -5.75,-6.75 -5.75,-6.75 -5.367,-6.674 -5.043,-6.457 -4.826,-6.133 -4.75,-5.75
  silkscreen extent -6.37,-4.65 4.65,4.65, body extent -6,-6 6,6, height 1.2
SMD_SOD523_SOD1608X65N [mm]
  rrect80% 0.65x0.5 smd mask+0.075: 1(-0.9,0) 2(0.9,0)
  silkscreen extent -1.45,-0.4 0.25,0.65, body extent -0.8,-0.4 0.8,0.4, height 0.7
SMD_SOIC127P602X173-8N [mm]
  oval 1.55x0.6 smd mask+0.075: 1(-2.8,1.905) 2(-2.8,0.635) 3(-2.8,-0.635) 4(-2.8,-1.905) 5(2.8,-1.905) 6(2.8,-0.635) 7(2.8,0.635) 8(2.8,1.905)
  silkscreen extent -3.75,-2.5 1.55,2.85, body extent -3.01,-2.5 3.01,2.5, height 1.73
SMD_SON127P615X520X100-8N [mm]
  oval 1.35x0.5 smd mask+0.075: 1(-2.75,1.905) 2(-2.75,0.635) 3(-2.75,-0.635) 4(-2.75,-1.905) 5(2.75,-1.905) 6(2.75,-0.635) 7(2.75,0.635) 8(2.75,1.905)
  Top Layer region: 2.75,2.15 1.75,2.15 1.75,2.7 -1.1,2.7 -1.1,-2.7 1.75,-2.7 1.75,-2.15 2.75,-2.15 2.75,2.15
  silkscreen extent -3.65,-2.75 -1.4,2.75, body extent -2.98,-2.59 2.99,2.59, height 1
SMD_SOT23_SOT95P240X120-3N [mm]
  rrect62% 1.05x0.65 smd mask+0.075: 1(-1.15,0.95) 2(-1.15,-0.95) 3(1.15,0)
  silkscreen extent -1.82,-1.4 0.3,1.62, body extent -1.2,-1.45 1.2,1.45, height 1.2
SMD_SOT95P280X145-6N-W [mm]
  rrect67% 1.1x0.8 smd mask+0.075: 1(-1.3,0.95) 3(-1.3,-0.95) 4(1.3,-0.95) 6(1.3,0.95)
  rrect67% 1.1x0.6 smd mask+0.075: 2(-1.3,0) 5(1.3,0)
  silkscreen extent -2.05,-1.45 0.43,1.75, body extent -1.4,-1.45 1.4,1.45, height 1.45
SMD_TO229P991X239-4AN_DPAK [mm]
  rrect40% 2.85x1 smd mask+0.075: 1(-4.15,2.29) 3(-4.15,-2.29)
  rrect7% 6.45x6 smd paste-3.225 mask+0.075: 2(2.35,0)
  silkscreen extent -5.85,-3.3 -1.9,3.55
SMD_TO254P1524X483-3_4N_D2PAK [mm]
  rrect33% 3.95x1.2 smd mask+0.075: 1(-6.35,2.54) 3(-6.35,-2.54)
  rrect4% 11.3x10.75 smd paste-5.65 mask+0.075: 2(2.65,0)
  silkscreen extent -8.25,-5.2 -3.3,5.2, body extent -7.62,-5.08 7.62,5.08, height 4.97